# KiCad board hypjolin.kicad_pcb (continued)
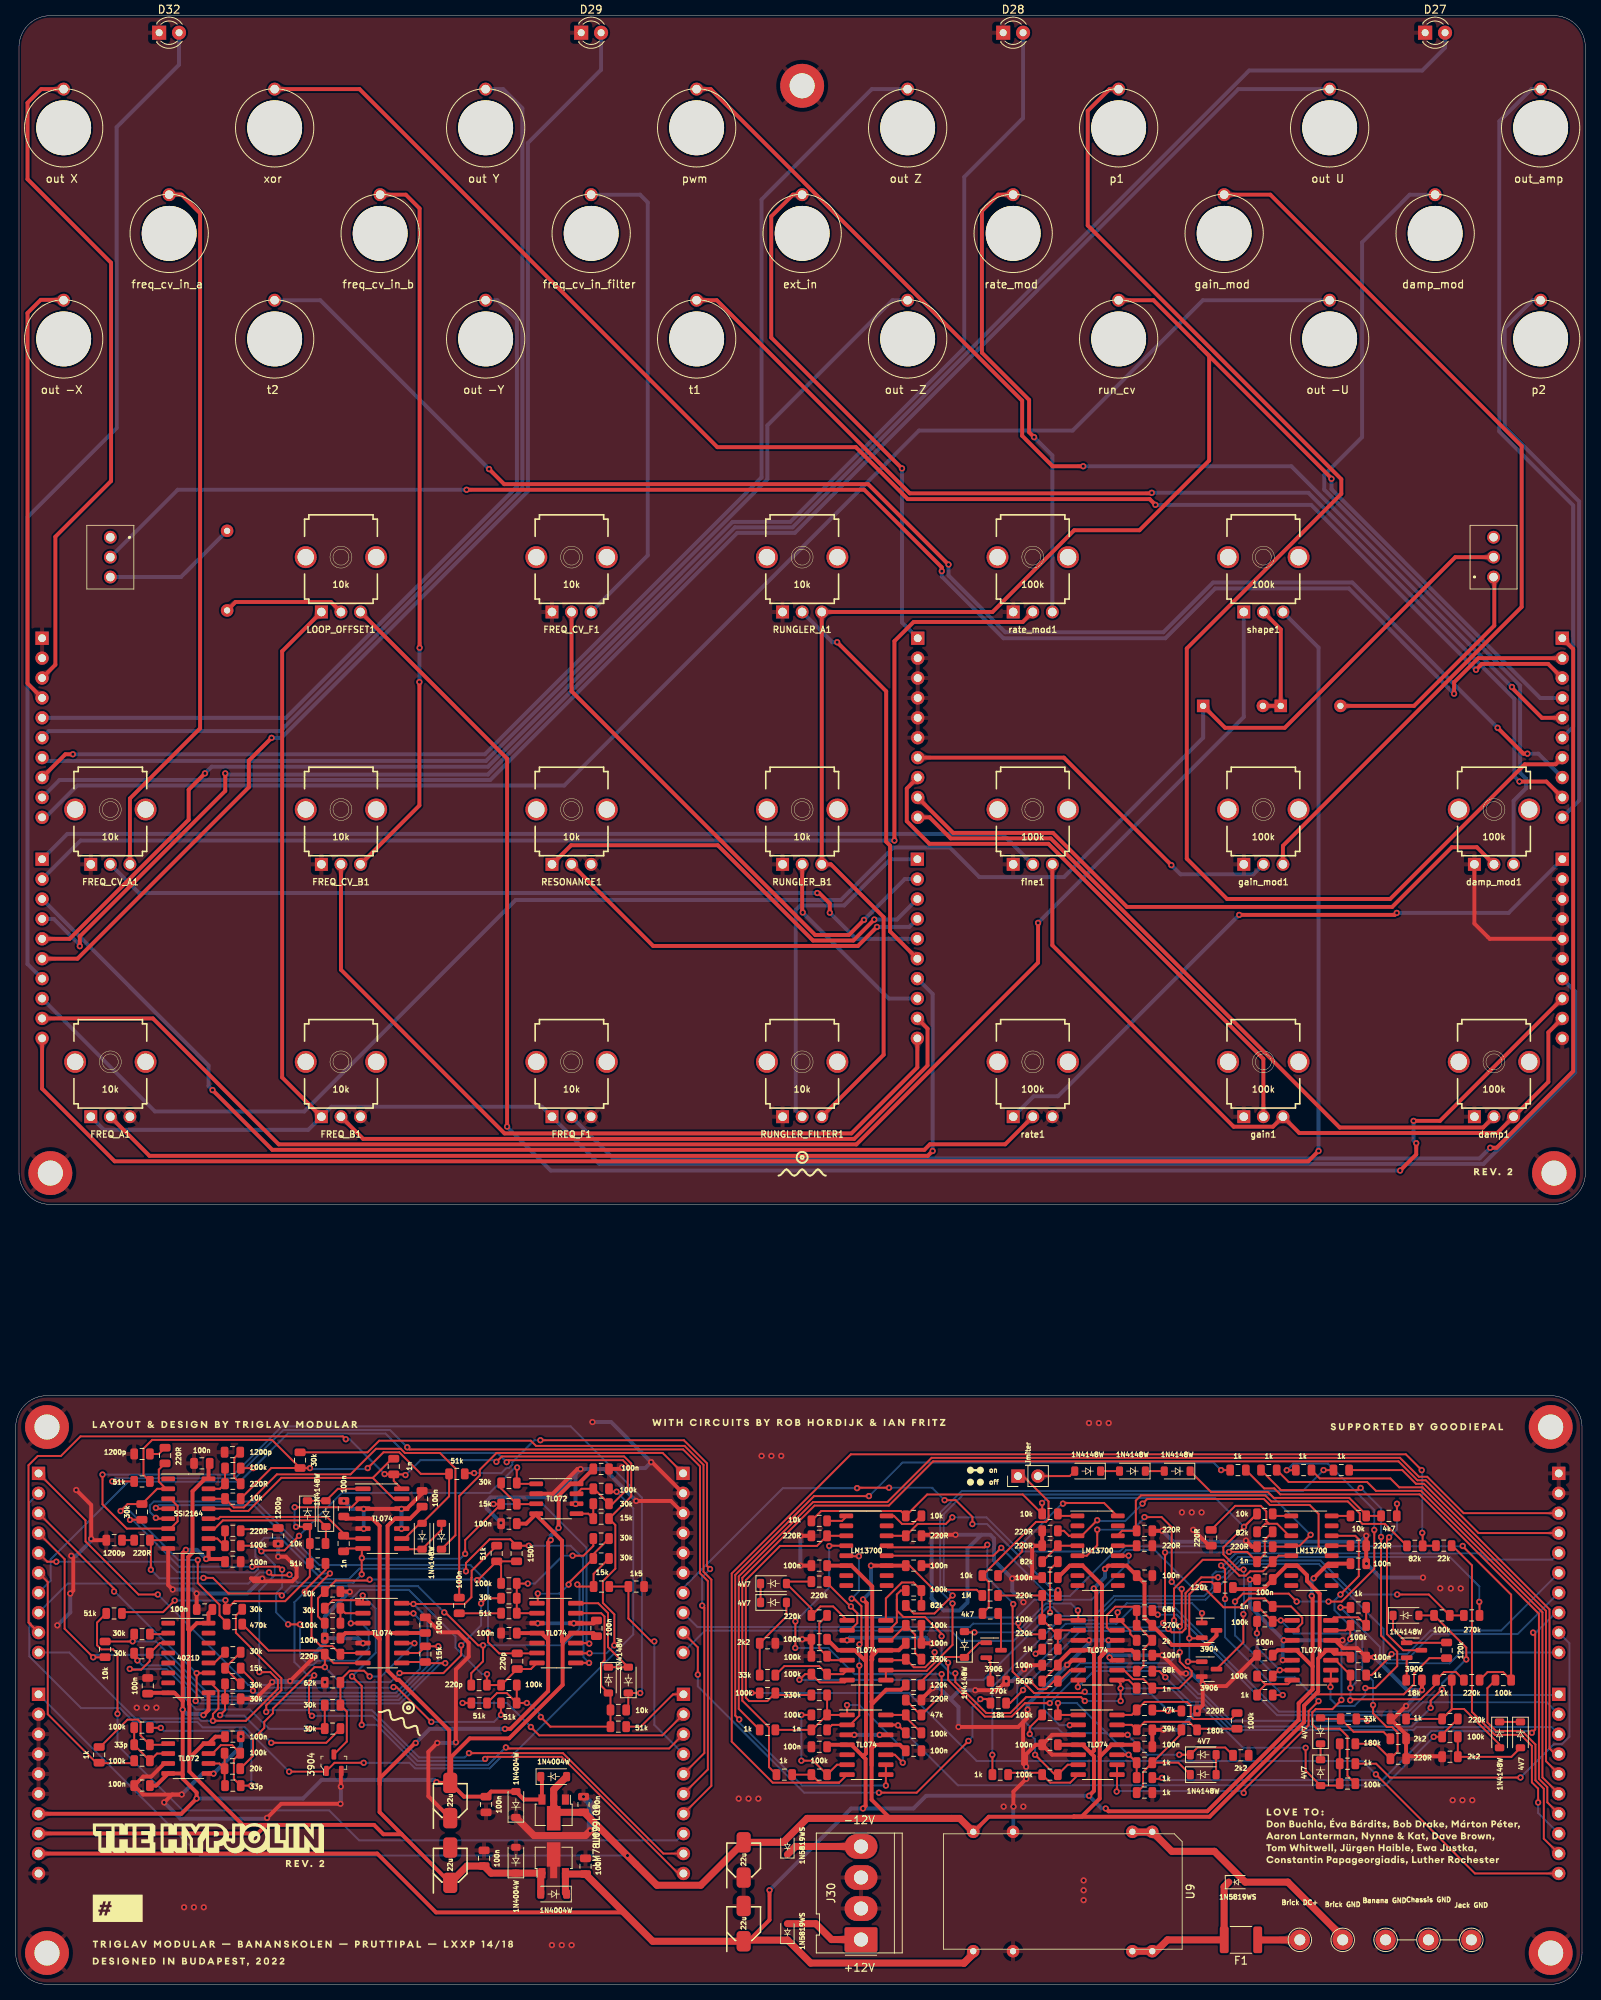
[diagram p0: board, top side]
## Routing (per net, layer and track width the routed paths; a pad name or vN(x,y) marks a point on that pad's centre or on a via; arc(x,y) is an arc through that point) (continued)
  Bottom w0.25: v1(23.25,54.15) 20.79,54.15 14.54,60.4 v1(13.4,60.4)
Net-(IC3-Pad10): length 4.3
  Top w0.25: R10.2 R12.1 ; IC3.10 25.74,56.89 26.66,55.97
Net-(IC3-Pad15): length 4.4
  Top w0.25: R11.1 R9.2 26.09,63.24 IC3.15
Net-(IC4-Pad3): length 6
  Top w0.25: 66.41,61.28 R14.2 61.98,63.28 R16.1
Net-(IC4-Pad5): length 4.3
  Top w0.25: IC4.5 73.12,60.06 R13.2 R15.1
Net-(IC5-Pad2): length 5
  Top w0.25: R44.2 R48.1 42.1,47.36 IC5.2
Net-(IC5-Pad9): length 50
  Top w0.25: 15.12,41.75 v1(15.54,41.33) ; R22.2 51.46,42.28 IC5.9 ; v1(53.97,43.14) 52.32,43.14
  Bottom w0.25: v1(53.97,43.14) 53.97,41.36 48.9,36.29 23.87,36.29 19.46,40.7 16.17,40.7 v1(15.54,41.33)
Net-(IC5-Pad10): length 23.8
  Top w0.25: Q1.3 42.28,30.98 42.28,34.82 R20.1 R21.2 ; 41.47,38.84 42.65,40.02 44.48,40.02 v1(45.2,39.29) ; v1(50.92,43.52) 49.32,43.52
  Bottom w0.25: v1(50.92,43.52) 46.69,39.29 v1(45.2,39.29)
Net-(IC5-Pad13): length 57.4
  Top w0.25: v1(30.3,37.47) 30.3,38.73 28.68,40.35 ; 14.94,44.49 v1(14.94,43.76) 14.92,43.75 R29.2 ; v1(50.79,47.33) 49.32,47.33
  Bottom w0.25: v1(50.79,47.33) 51.64,46.48 51.64,40.3 48.53,37.19 30.57,37.19 v1(30.3,37.47) 30.27,37.44 24.24,37.44 17.91,43.76 v1(14.94,43.76)
Net-(IC6-Pad1): length 13
  Top w0.25: R34.1 70.6,51.19 v1(70.6,51.02) ; v1(66.66,49.87) 66.66,48.73 ; 73.76,54.89 R33.2
  Bottom w0.25: v1(66.66,49.87) 66.68,49.86 69.44,49.86 v1(70.6,51.02)
Net-(IC6-Pad2): length 19.1
  Top w0.25: R31.2 R30.2 IC6.2 ; R33.1 73.76,55.95 72.51,54.7 v1(71.11,54.7) ; v1(65.39,51.14) 64.01,51.14
  Bottom w0.25: v1(65.39,51.14) 66.3,51.14 69.85,54.7 v1(71.11,54.7)
Net-(J14-Pad1): length 23.8
  Top w0.25: R76.1 124.25,48.13 124.25,51.35 R75.2 130.28,59.01 131.55,59.01 131.88,59.34 131.88,61.63 128.65,64.86
Net-(LOOP_OFFSET1-Pad2): length 15.5
  Top w0.5: LOOP_OFFSET1.2 40.26,176.4 28.08,176.4 R18.1
Net-(Q2-Pad2): length 3.2
  Top w0.25: R77.1 124.47,41.15 Q2.2
Net-(Q2-Pad3): length 4.3
  Top w0.25: Q2.3 125.81,46.97
Net-(Q3-Pad1): length 17.5
  Top w0.25: 141,46.44 142.32,45.12 142.32,44.72 R73.1 ; U3.14 140.62,47.38 v1(140.71,47.46) ; Q3.1 151.45,47.34 v1(151.48,47.37)
  Bottom w0.25: v1(140.71,47.46) 141.88,48.63 150.21,48.63 v1(151.48,47.37)
Net-(Q3-Pad2): length 16.5
  Top w0.25: R79.1 152.71,51.35 151.43,51.35 149.85,49.77 v1(149.85,44.15) 151.38,44.15 ; v1(149.67,41.18) 149.68,41.17 Q5.1
  Bottom w0.25: v1(149.67,41.18) 149.85,41.36 v1(149.85,44.15)
Net-(Q4-Pad2): length 2.8
  Top w0.25: 177.61,38.89 Q4.2
Net-(Q4-Pad3): length 23.9
  Top w0.25: v1(175.37,57.04) 175.09,56.77 175.09,44.69 177.16,42.63 Q4.3 ; 176.37,59.8 v1(176.37,61.32)
  Bottom w0.25: v1(175.37,57.04) 176.37,58.04 v1(176.37,61.32)
Net-(Q5-Pad3): length 88.2
  Top w0.25: R139.1 102.87,60.4 113.03,60.4 R131.1 116.38,62.51 128.59,62.51 R95.1 131.07,61.41 v1(131.05,61.43) ; v1(156.83,58.38) 156.85,58.38 R118.1 ; v1(156.76,47.24) 156.76,43.65 Q5.3 ; 158.49,60.03 154.21,55.75 154.21,54.88 156.16,52.92 v1(156.78,52.92)
  Bottom w0.25: v1(131.05,61.43) 131.69,62.06 153.15,62.06 v1(156.83,58.38) ; v1(156.78,52.92) 156.83,52.86 156.83,47.32 v1(156.76,47.24)
Net-(R18-Pad2): length 17.4
  Bottom w0.5: SW1.3 21.1,179.58 R18.2
Net-(R24-Pad1): length 5.7
  Top w0.25: 26.72,40.35 R27.2 ; 26.7,40.35 R24.1
Net-(R25-Pad1): length 21.8
  Top w0.25: v1(32.63,30.82) 39.66,30.82 R25.1 ; v1(26.1,34.35) 26.73,34.98 R28.2 R27.1
  Bottom w0.25: v1(32.63,30.82) 29.16,34.29 26.16,34.29 v1(26.1,34.35)
Net-(R31-Pad1): length 34
  Top w0.25: v1(58.92,51.58) 59.02,51.58 R35.2 ; R44.1 38.6,46.96 38.6,49.26 R38.2 40.87,51.53 45.08,51.53 v1(45.2,51.65) ; R31.1 61.98,53.42 R35.2 ; R35.2 R36.2
  Bottom w0.25: v1(58.92,51.58) 58.84,51.65 v1(45.2,51.65)
Net-(R51-Pad2): length 44.7
  Top w0.25: R51.2 174.85,58.75 171.96,58.75 171.63,59.09 171.63,60.1 170.1,61.63 160.32,61.63 159.56,62.39 143.69,62.39 143.03,61.73 143.03,57.98 ; R52.2 141.26,57.87 140.62,57.24
Net-(R53-Pad2): length 2.5
  Top w0.25: R53.2 140.62,55.97
Net-(R54-Pad1): length 16.1
  Top w0.25: 132.98,44.67 R68.2 R54.1 R61.2 ; U3.2 133.58,45.17 R55.1 R57.1
Net-(R56-Pad1): length 79.5
  Top w0.25: v1(129.54,38.69) 130.56,37.67 131.55,37.67 132.57,38.7 R69.2 ; v1(128.63,37.55) 126.97,35.89 R56.1 ; v1(153.53,51.93) 151.38,51.93 149.37,49.93 149.37,45.38 148.92,44.92 147.62,44.92 v1(147.18,45.35) ; 184.91,47.08 R72.2 180.44,49.75 v1(176.39,49.75) ; U3.6 134.63,40.09 133.23,38.7
  Bottom w0.25: v1(153.53,51.93) 154.13,51.93 156.29,54.1 166.6,54.1 170.95,49.75 v1(176.39,49.75) ; v1(147.18,45.35) 146.95,45.12 135.96,45.12 v1(129.54,38.69) 128.63,37.79 v1(128.63,37.55)
Net-(R58-Pad1): length 16.7
  Top w0.25: R70.2 R58.1 142.66,48.18 140.41,48.18 139.32,47.1 139.32,45.54 139.69,45.17 U3.13 ; 143.23,45.81 R73.2 144.01,42.78 144.01,40.6 143.37,39.97
Net-(R67-Pad2): length 49.3
  Top w0.25: 106.54,45.17 107.46,46.1 107.46,47.36 103.61,51.21 ; v1(142.1,54.7) 140.62,54.7
  Bottom w0.25: v1(106.65,48.22) 108.05,46.82 127.82,46.82 130.08,49.08 137.39,49.08 142.1,53.8 v1(142.1,54.7)
Net-(R75-Pad1): length 20.3
  Top w0.25: v1(133.72,61.34) 133.81,61.43 138.97,61.43 140.62,59.78 ; v1(128.51,56.1) 128.51,55.24 R75.1
  Bottom w0.25: v1(128.51,56.1) 128.51,56.22 133.63,61.34 v1(133.72,61.34)
Net-(R80-Pad2): length 10.3
  Top w0.25: R80.2 98.15,40.61 102.58,40.61 R85.1 105.65,39.59 U4.6
Net-(R83-Pad2): length 8.8
  Top w0.25: R83.2 102.61,46.08 102.61,42.87 R84.2 104.11,41.36 106.16,41.36
Net-(R85-Pad2): length 49.5
  Top w0.25: 106.16,38.82 105.87,38.53 102.66,38.53 R85.2 100.8,39.59 v1(100.07,38.86) ; R86.1 132.07,52.94 v1(132.07,47.43)
  Bottom w0.25: v1(132.07,47.43) 132.07,47.33 129.43,44.69 129.35,44.69 129.35,44.6 123.61,38.86 v1(100.07,38.86)
Net-(R86-Pad2): length 5.4
  Top w0.25: 133.07,55.94 R86.2 ; 135.68,55.97 R87.2
Net-(R89-Pad2): length 42.2
  Top w0.25: R89.2 133.85,57.87 134.49,57.24 136.11,57.24 v1(138.1,59.22) ; v1(143.88,61.34) 144.48,61.94 159.38,61.94 160.14,61.18 165.22,61.18 166.36,60.03 166.36,55.89 167.55,54.7
  Bottom w0.25: v1(143.88,61.34) 141.67,59.12 138.2,59.12 v1(138.1,59.22)
Net-(R92-Pad1): length 7.8
  Top w0.25: 111.75,43.9 R94.1 114.84,44.62 114.84,42.3 R92.1
Net-(R95-Pad2): length 2.4
  Top w0.25: 135.68,59.78 133.32,59.78
Net-(R97-Pad1): length 2.5
  Top w0.25: R97.1 167.93,59.78
Net-(R100-Pad1): length 10.5
  Top w0.25: R103.2 R100.1 114.63,51.28 113.15,51.28 111.11,49.24 U4.14
Net-(R100-Pad2): length 83.3
  Top w0.25: v1(172.58,33.62) 172.34,33.87 R93.1 ; 112.51,49.11 112.51,49.75 113.02,50.25 R100.2 ; 112.51,49.11 112.51,47.71 113.35,46.87 116.09,46.87 118.23,44.74 v1(118.23,44.41) ; 112.51,49.11 112.51,46.2 111.49,45.17 ; v1(119.06,41.05) 119.06,38.86 123.75,34.17 127.18,34.17 128.89,35.88 v1(132.04,35.88)
  Bottom w0.25: v1(118.23,44.41) 118.23,41.88 v1(119.06,41.05) ; v1(132.04,35.88) 136.63,40.47 147.6,40.47 151.02,37.06 151.75,37.06 155.19,33.62 v1(172.58,33.62)
Net-(R102-Pad2): length 2.5
  Top w0.25: 167.93,55.97 R102.2
Net-(R103-Pad1): length 73.5
  Top w0.25: v1(119.63,49.62) 119.62,49.62 117.32,47.32 114.68,47.32 R103.1 ; v1(165.34,57.37) 163.95,55.97 U2.4 ; R108.1 162.75,55.84
  Bottom w0.25: v1(119.63,49.62) 118.5,50.75 118.5,60.01 121,62.52 160.19,62.52 v1(165.34,57.37)
Net-(R104-Pad1): length 42.4
  Top w0.25: R104.1 173.63,30.7 R105.2 176.45,29.71 176.45,32.14 175.75,32.85 175.06,32.85 173.32,34.58 v1(173.32,35.65) ; 167.93,57.24 171.05,57.24 171.5,56.79 171.5,52.09 v1(169.15,49.75)
  Bottom w0.25: v1(173.32,35.65) 173.32,38.72 171.95,40.09 171.95,44.17 168.39,47.73 168.39,48.98 v1(169.15,49.75)
Net-(R106-Pad1): length 16.3
  Top w0.25: R96.2 149.82,33.5 144.16,33.5 R106.1 142.5,33.11 U6.13 ; R113.1 150.99,32.62
Net-(R107-Pad1): length 30.2
  Top w0.25: v1(169.28,36.28) 168.12,35.12 166,35.12 165.56,34.69 165.56,33.16 166.1,32.62 169.08,32.62 170.05,31.65 170.05,26.62 R107.1 ; 170.41,45.78 v1(170.41,44.06) ; R116.2 169.81,45.17 U7.13
  Bottom w0.25: v1(169.28,36.28) 169.28,42.75 170.41,43.88 v1(170.41,44.06)
Net-(R111-Pad1): length 15.5
  Top w0.25: 158.52,57.75 159.55,58.77 160.02,58.77 ; 160.02,58.77 159.69,59.1 159.69,60.35 158.98,61.06 155.72,61.06 R111.1 ; 160.02,58.77 161.07,58.77 162.6,57.24
Net-(R113-Pad2): length 18
  Top w0.25: R113.2 155.19,33.86 150.37,33.86 150.04,34.2 150.04,35.58 149.58,36.04 144.16,36.04 R119.1 142.5,34.38 U6.14
Net-(R114-Pad2): length 82.6
  Top w0.25: R122.1 112.64,33.11 U8.13 112.6,33.11 v1(112.66,33.04) ; v1(181.06,31.58) R114.2 ; R115.2 182.14,31.87
  Bottom w0.25: v1(112.66,33.04) 120.31,25.4 174.87,25.4 v1(181.06,31.58)
Net-(R116-Pad1): length 7.4
  Top w0.25: R120.2 R116.1 171.42,46.83 168.32,46.83 U7.14
Net-(R117-Pad2): length 81.1
  Top w0.25: U4.9 111.11,38.82 ; R117.2 v1(167,65.62) ; v1(119.62,48.6) 119.62,43.32 116.32,40.02 111.19,40.02
  Bottom w0.25: v1(167,65.62) 164.34,62.97 120.82,62.97 118.05,60.2 118.05,50.18 v1(119.62,48.6)
Net-(R118-Pad2): length 2.2
  Top w0.25: 162.98,59.78 160.76,59.78
Net-(R119-Pad2): length 56.5
  Top w0.25: 111.11,55.97 111.32,55.76 123.74,55.76 v1(124.07,56.1) ; R121.2 v1(147.18,34.89) 145.26,34.89 ; v1(127.37,48.53) 127.3,48.45 127.3,39.91 130.03,37.17 136.34,37.17 v1(136.51,37.34)
  Bottom w0.25: v1(127.37,48.53) 127.37,48.6 124.07,51.9 v1(124.07,56.1) ; v1(136.51,37.34) 136.8,37.05 145.02,37.05 v1(147.18,34.89)
Net-(R122-Pad2): length 5.4
  Top w0.25: U8.14 R125.1 ; 113.65,34.09 R122.2
Net-(R123-Pad2): length 101.3
  Top w0.25: R124.2 187.94,39.85 189.93,39.85 R128.2 190.95,49.72 184.76,55.91 v1(184.76,55.94) ; v1(119.6,59.59) 118.76,58.75 115.17,58.75 R123.2 111.11,57.24
  Bottom w0.25: v1(119.6,59.59) 123.95,59.59 128.3,55.24 140.99,55.24 141.65,55.9 184.72,55.9 v1(184.76,55.94)
Net-(R125-Pad2): length 46.1
  Top w0.25: 106.16,55.97 103.91,55.97 v1(103.88,55.94) ; v1(118.23,39.59) 118.23,36.95 R125.2 ; v1(99.56,46.32) 99.56,42.94 v1(99.54,42.93) ; 115.56,34.38 R126.2
  Bottom w0.25: v1(99.54,42.93) 103.77,42.93 107.11,39.59 v1(118.23,39.59) ; v1(103.88,55.94) 103.88,50.64 v1(99.56,46.32)
Net-(R127-Pad2): length 39
  Top w0.25: 106.16,57.24 R135.2 102.31,55.94 97.6,55.94 93.23,51.57 93.23,36.57 93.65,36.15 95.98,36.15 R127.2 ; R143.2 97.26,36.92
Net-(R130-Pad1): length 13.1
  Top w0.25: U6.6 134.34,28.03 R134.2 132.7,26.76 v1(130.17,29.3) ; v1(129.48,31.94) 129.48,32.79 R130.1
  Bottom w0.25: v1(129.48,31.94) 130.17,31.26 v1(130.17,29.3)
Net-(R131-Pad2): length 5.3
  Top w0.25: 111.11,59.78 112.15,59.78 113.18,58.75 114.53,58.75 115.56,59.78
Net-(R133-Pad2): length 96.9
  Top w0.25: v1(155.69,48.84) 156.71,49.86 162.55,49.86 v1(163.57,48.84) ; v1(140.58,24.6) 140.62,24.65 U6.8 U6.9 ; v1(173.47,57.99) 173.47,53.01 169.31,48.84 v1(167.63,48.84) ; 163.44,65.61 v1(162.3,65.61) ; v1(166.36,36.14) 165.09,34.87 165.09,33.09 156.8,24.8 v1(156.8,24.43)
  Bottom w0.25: v1(173.47,57.99) 173.47,60.53 167.55,66.44 163.13,66.44 v1(162.3,65.61) ; v1(155.69,48.84) 155.69,44.53 161.03,39.19 163.31,39.19 v1(166.36,36.14) ; v1(156.8,24.43) 156.55,24.67 140.65,24.67 v1(140.58,24.6) ; v1(163.57,48.84) v1(167.63,48.84)
Net-(R134-Pad1): length 9.3
  Top w0.25: 126.96,27 130.83,27 ; R134.1 132.09,25.73 134.65,25.73 U6.7
Net-(R138-Pad1): length 10.2
  Top w0.25: v1(158.49,44.79) 158.5,44.81 R138.1 ; U7.6 v1(161.41,40.09) 161.26,40.09 R141.2
  Bottom w0.25: v1(158.49,44.79) 158.49,43.01 v1(161.41,40.09)
Net-(R139-Pad2): length 2.8
  Top w0.25: 106.16,59.78 105.53,59.14 R139.2
Net-(R141-Pad1): length 9.5
  Top w0.25: 162.46,38.31 159.63,38.31 158.5,37.18 ; 162.46,38.31 162.98,38.82 ; 162.46,38.31 159.53,38.31 R141.1
Net-(R142-Pad2): length 53.7
  Top w0.25: U7.9 167.93,38.82 ; v1(171.73,63.34) 171.45,63.07 161.56,63.07 R142.2 ; v1(174.34,57.09) 174.34,44.51 176.4,42.44 176.4,40.61 173.6,37.81 v1(172.33,37.81) ; v1(167.88,37.94) 167.88,38.78
  Bottom w0.25: v1(171.73,63.34) 174.36,60.71 174.36,57.12 v1(174.34,57.09) ; v1(167.88,37.94) 167.88,36.41 168.77,35.52 170.93,35.52 172.33,36.92 v1(172.33,37.81)
Net-(R146-Pad1): length 14.2
  Top w0.25: v1(100.32,34.38) R146.1 ; U8.6 104.88,28.03 R149.2 101.83,28.54 v1(100.32,28.54)
  Bottom w0.25: v1(100.32,28.54) v1(100.32,34.38)
Net-(R147-Pad2): length 113.3
  Top w0.25: U8.9 U8.8 111.11,25.36 v1(111.11,25.36) ; v1(153.91,65.62) R147.2 ; v1(92.39,33.8) 91.88,34.31 91.88,52.24 101.95,62.31 v1(108.96,62.31)
  Bottom w0.25: v1(153.91,65.62) 152.94,66.6 113.25,66.6 v1(108.96,62.31) ; v1(111.11,25.36) 100.44,25.36 92.39,33.42 v1(92.39,33.8)

## Copper pours and planes (outline as drawn; the poured copper is in the pictures)
GND on Top, Bottom: 205.73,-3.34 -7,-3.34 -6.36,79.24 207,79.24
VCC on Top: 121.65,2.62 121.8,2.77 121.92,2.89 122.03,2.99 122.13,3.09 122.23,3.17 122.32,3.25 122.41,3.33 122.51,3.41 122.63,3.49 122.75,3.59 122.45,4.58 121.47,4.24 121.47,4.12 121.46,4.02 121.44,3.92 121.42,3.83 121.38,3.74 121.34,3.65 121.28,3.56 121.21,3.47 121.12,3.37 121.02,3.26
VCC on Top: 121.63,2.64 121.78,2.78 121.9,2.9 122.01,3.01 122.11,3.1 122.2,3.18 122.29,3.25 122.39,3.33 122.49,3.4 122.6,3.48 122.73,3.57 122.46,4.57 121.47,4.27 121.46,4.15 121.45,4.04 121.43,3.94 121.41,3.85 121.37,3.76 121.33,3.67 121.27,3.58 121.19,3.49 121.1,3.39 121,3.28
VCC on Top: 4.61,16.94 4.42,16.94 4.26,16.96 4.12,17 4,17.04 3.89,17.09 3.79,17.16 3.57,17.3 3.44,17.37 3.29,17.45 2.5,16.69 3.29,15.92 3.44,16 3.57,16.08 3.79,16.22 3.89,16.28 4,16.33 4.12,16.38 4.26,16.41 4.42,16.43 4.61,16.44
VEE on Top: 123.24,20.73 123.11,20.61 122.99,20.52 122.88,20.45 122.77,20.4 122.67,20.37 122.56,20.34 122.33,20.3 122.2,20.27 122.05,20.23 121.97,19.2 123.01,19.16 123.07,19.31 123.11,19.45 123.17,19.68 123.2,19.79 123.24,19.9 123.3,20.01 123.37,20.12 123.47,20.24 123.59,20.38
VEE on Top: 120.85,20.24 120.97,20.11 121.07,20 121.16,19.9 121.23,19.81 121.29,19.72 121.34,19.63 121.38,19.53 121.43,19.43 121.47,19.32 121.52,19.19 122.56,19.19 122.52,20.22 122.4,20.27 122.28,20.31 122.18,20.35 122.09,20.39 122,20.44 121.91,20.5 121.82,20.57 121.72,20.65 121.61,20.75 121.48,20.87
VEE on Bottom: 4.21,35.9 4.07,36.05 3.98,36.18 3.91,36.31 3.87,36.44 3.85,36.56 3.84,36.68 3.82,36.81 3.81,36.96 3.78,37.11 3.72,37.29 2.62,37.31 2.64,36.2 2.82,36.15 2.97,36.12 3.11,36.1 3.25,36.09 3.37,36.08 3.49,36.05 3.62,36.02 3.74,35.95 3.88,35.86 4.03,35.72
/cv_f_pot on Top: 84.16,33.18 84.31,33.32 84.45,33.41 84.57,33.48 84.7,33.51 84.82,33.54 84.94,33.55 85.08,33.56 85.22,33.58 85.37,33.61 85.55,33.66 85.57,34.77 84.47,34.75 84.41,34.57 84.38,34.42 84.37,34.27 84.35,34.14 84.34,34.02 84.32,33.9 84.28,33.77 84.21,33.64 84.12,33.51 83.98,33.36
/damp_mod_pot on Top: 86.5,43.78 86.37,43.93 86.27,44.06 86.21,44.19 86.17,44.31 86.15,44.44 86.13,44.56 86.12,44.69 86.1,44.84 86.07,44.99 86.02,45.16 84.92,45.19 84.94,44.08 85.11,44.03 85.27,44 85.41,43.98 85.54,43.97 85.67,43.96 85.79,43.93 85.91,43.89 86.04,43.83 86.18,43.74 86.32,43.6
/damp_pot on Bottom: 86.32,43.63 86.18,43.49 86.04,43.4 85.91,43.34 85.79,43.3 85.67,43.27 85.54,43.26 85.41,43.25 85.27,43.23 85.11,43.2 84.94,43.15 84.92,42.04 86.02,42.07 86.07,42.24 86.1,42.4 86.12,42.54 86.13,42.67 86.15,42.79 86.17,42.92 86.21,43.04 86.27,43.17 86.37,43.3 86.5,43.45
/ext_in on Top: 83.93,66.31 84.07,66.16 84.16,66.03 84.23,65.9 84.27,65.78 84.29,65.65 84.3,65.53 84.32,65.4 84.33,65.26 84.36,65.1 84.42,64.93 85.52,64.9 85.5,66.01 85.32,66.06 85.17,66.09 85.03,66.11 84.89,66.12 84.77,66.13 84.65,66.16 84.52,66.2 84.4,66.26 84.26,66.35 84.11,66.49
/fine_pot on Bottom: 195.33,36.79 195.54,36.78 195.71,36.76 195.85,36.71 195.97,36.65 196.08,36.59 196.19,36.51 196.3,36.44 196.42,36.36 196.57,36.28 196.74,36.21 197.45,37.05 196.58,37.73 196.44,37.63 196.31,37.53 196.21,37.44 196.12,37.35 196.02,37.26 195.92,37.19 195.81,37.13 195.68,37.08 195.52,37.05 195.33,37.04
/freq_a_pot on Top: 86.37,23.05 86.23,22.92 86.09,22.82 85.96,22.76 85.84,22.72 85.72,22.69 85.59,22.68 85.46,22.67 85.32,22.65 85.16,22.62 84.99,22.57 84.97,21.47 86.07,21.49 86.12,21.66 86.15,21.82 86.17,21.96 86.18,22.09 86.2,22.21 86.22,22.34 86.26,22.46 86.32,22.59 86.42,22.72 86.55,22.87
/freq_b_pot on Top: 83.58,16.56 83.78,16.55 83.94,16.52 84.08,16.48 84.19,16.42 84.29,16.35 84.39,16.27 84.49,16.18 84.61,16.1 84.74,16.01 84.9,15.92 85.69,16.69 84.9,17.45 84.74,17.36 84.61,17.28 84.49,17.19 84.39,17.1 84.29,17.03 84.19,16.96 84.08,16.9 83.94,16.85 83.78,16.82 83.58,16.81
/freq_cv_a_pot on Top: 86.37,28.13 86.23,28 86.09,27.9 85.96,27.84 85.84,27.8 85.72,27.77 85.59,27.76 85.46,27.75 85.32,27.73 85.16,27.7 84.99,27.65 84.97,26.55 86.07,26.57 86.12,26.74 86.15,26.9 86.17,27.04 86.18,27.17 86.2,27.29 86.22,27.42 86.26,27.54 86.32,27.67 86.42,27.8 86.55,27.95
/freq_cv_b_pot on Top: 83.74,14.83 83.89,14.67 84,14.53 84.09,14.4 84.16,14.28 84.23,14.16 84.29,14.05 84.35,13.93 84.43,13.81 84.54,13.69 84.67,13.55 85.68,14.06 85.06,14.97 84.92,14.93 84.79,14.89 84.67,14.85 84.56,14.81 84.45,14.79 84.35,14.78 84.25,14.8 84.14,14.83 84.03,14.9 83.91,15.01
/freq_f_pot on Top: 4.21,64.1 4.07,64.25 3.98,64.38 3.91,64.51 3.87,64.63 3.85,64.76 3.84,64.88 3.82,65.01 3.81,65.16 3.78,65.31 3.72,65.48 2.62,65.51 2.64,64.4 2.82,64.35 2.97,64.32 3.11,64.3 3.25,64.29 3.37,64.28 3.49,64.25 3.62,64.21 3.74,64.15 3.88,64.06 4.03,63.92
/gain_mod_pot on Bottom: 85.94,51.48 85.78,51.33 85.63,51.21 85.5,51.13 85.37,51.06 85.25,51 85.14,50.94 85.02,50.88 84.89,50.8 84.76,50.7 84.62,50.57 85.11,49.55 86.05,50.13 86.02,50.28 85.98,50.41 85.94,50.53 85.91,50.64 85.89,50.75 85.89,50.86 85.9,50.96 85.94,51.07 86.01,51.18 86.12,51.3
/gain_pot on Bottom: 86.5,46.32 86.37,46.47 86.27,46.6 86.21,46.73 86.17,46.85 86.15,46.98 86.13,47.1 86.12,47.23 86.1,47.38 86.07,47.53 86.02,47.7 84.92,47.73 84.94,46.62 85.11,46.57 85.27,46.54 85.41,46.52 85.54,46.51 85.67,46.5 85.79,46.47 85.91,46.43 86.04,46.37 86.18,46.28 86.32,46.14
/LEDU on Top: 195.72,30.4 195.74,30.25 195.77,30.13 195.82,30.03 195.88,29.94 195.95,29.87 196.02,29.8 196.08,29.72 196.13,29.63 196.17,29.52 196.18,29.39 197.42,29.22 196.98,30.23 196.84,30.22 196.7,30.19 196.56,30.16 196.43,30.13 196.31,30.12 196.2,30.11 196.1,30.14 196.03,30.19 195.99,30.27 195.97,30.4
/LEDX on Top: 195.74,22.87 195.88,22.72 195.97,22.59 196.04,22.46 196.08,22.34 196.1,22.21 196.11,22.09 196.13,21.96 196.14,21.82 196.17,21.66 196.23,21.49 197.33,21.47 197.31,22.57 197.13,22.62 196.98,22.65 196.84,22.67 196.7,22.68 196.58,22.69 196.46,22.72 196.33,22.76 196.21,22.82 196.07,22.92 195.92,23.05
/LEDY on Top: 195.74,25.44 195.88,25.29 195.97,25.15 196.04,25.02 196.08,24.9 196.1,24.78 196.12,24.65 196.13,24.52 196.14,24.37 196.17,24.22 196.22,24.04 197.32,24 197.32,25.1 197.15,25.16 196.99,25.19 196.85,25.21 196.71,25.23 196.59,25.25 196.46,25.27 196.34,25.31 196.21,25.38 196.07,25.48 195.92,25.61
/LEDZ on Top: 195.74,27.95 195.88,27.8 195.97,27.67 196.04,27.54 196.08,27.42 196.1,27.29 196.11,27.17 196.13,27.04 196.14,26.9 196.17,26.74 196.23,26.57 197.33,26.55 197.31,27.65 197.13,27.7 196.98,27.73 196.84,27.75 196.7,27.76 196.58,27.77 196.46,27.8 196.33,27.84 196.21,27.9 196.07,28 195.92,28.13
/offset_switch on Bottom: 1.87,61.45 1.89,61.63 1.95,61.74 2.05,61.81 2.17,61.84 2.32,61.84 2.48,61.83 2.66,61.82 2.84,61.81 3.02,61.82 3.2,61.86 3.22,62.97 2.07,62.67 2.06,62.51 2.03,62.38 1.97,62.27 1.91,62.18 1.85,62.09 1.78,61.99 1.72,61.89 1.67,61.77 1.63,61.63 1.62,61.45
/out -U on Bottom: 195.34,42.22 195.54,42.21 195.7,42.18 195.84,42.14 195.95,42.08 196.05,42.01 196.15,41.93 196.25,41.84 196.37,41.76 196.5,41.67 196.66,41.58 197.45,42.35 196.66,43.11 196.5,43.02 196.37,42.94 196.25,42.85 196.15,42.76 196.05,42.68 195.95,42.61 195.84,42.56 195.7,42.51 195.54,42.48 195.34,42.47
/out -X on Top: 195.34,57.46 195.54,57.45 195.7,57.42 195.84,57.38 195.95,57.32 196.05,57.25 196.15,57.17 196.25,57.08 196.37,57 196.5,56.91 196.66,56.82 197.45,57.59 196.66,58.35 196.5,58.26 196.37,58.18 196.25,58.09 196.15,58 196.05,57.92 195.95,57.85 195.84,57.8 195.7,57.75 195.54,57.72 195.34,57.71
/out -Y on Bottom: 195.68,54.07 195.87,54.07 196.02,54.08 196.16,54.1 196.27,54.11 196.49,54.15 196.6,54.17 196.72,54.18 196.86,54.19 197.03,54.2 197.33,55.35 196.23,55.32 196.19,55.18 196.16,55.04 196.13,54.77 196.1,54.64 196.07,54.54 196.02,54.45 195.94,54.38 195.83,54.34 195.68,54.32
/out -Z on Bottom: 195.92,48.68 196.07,48.82 196.21,48.91 196.33,48.97 196.46,49.01 196.58,49.04 196.7,49.05 196.84,49.06 196.98,49.08 197.13,49.11 197.31,49.16 197.33,50.27 196.23,50.24 196.17,50.07 196.14,49.92 196.13,49.77 196.11,49.64 196.1,49.52 196.08,49.39 196.04,49.27 195.97,49.14 195.88,49.01 195.74,48.86
/out U on Bottom: 198.31,43.78 198.18,43.93 198.08,44.06 198.02,44.19 197.98,44.31 197.96,44.44 197.94,44.56 197.93,44.69 197.91,44.84 197.88,44.99 197.83,45.16 196.73,45.19 196.75,44.08 196.92,44.03 197.08,44 197.22,43.98 197.35,43.97 197.48,43.96 197.6,43.93 197.72,43.89 197.85,43.83 197.99,43.74 198.13,43.6
/out X on Top: 195.34,60 195.54,59.99 195.7,59.96 195.84,59.92 195.95,59.86 196.05,59.79 196.15,59.71 196.25,59.62 196.37,59.54 196.5,59.45 196.66,59.36 197.45,60.13 196.66,60.89 196.5,60.8 196.37,60.72 196.25,60.63 196.15,60.54 196.05,60.46 195.95,60.39 195.84,60.34 195.7,60.29 195.54,60.26 195.34,60.25
/out Y on Bottom: 195.92,51.22 196.07,51.36 196.21,51.45 196.33,51.51 196.46,51.55 196.58,51.58 196.7,51.59 196.84,51.6 196.98,51.62 197.13,51.65 197.31,51.7 197.33,52.81 196.23,52.78 196.17,52.61 196.14,52.46 196.13,52.31 196.11,52.18 196.1,52.06 196.08,51.93 196.04,51.81 195.97,51.68 195.88,51.55 195.74,51.4
/out Z on Bottom: 195.76,46.35 195.89,46.47 196.01,46.55 196.13,46.6 196.24,46.63 196.36,46.63 196.47,46.63 196.73,46.59 196.88,46.58 197.04,46.58 197.41,47.62 196.35,47.94 196.24,47.78 196.16,47.63 196.1,47.5 196.06,47.37 196.02,47.24 195.97,47.11 195.92,46.98 195.84,46.84 195.73,46.69 195.58,46.53
/OUT_AMP on Top: 4.22,51.29 4.21,51.47 4.18,51.61 4.12,51.73 4.06,51.83 4,51.93 3.93,52.02 3.87,52.11 3.82,52.22 3.78,52.35 3.77,52.51 2.62,52.81 2.64,51.7 2.82,51.66 3,51.65 3.19,51.66 3.36,51.67 3.52,51.68 3.67,51.68 3.79,51.65 3.89,51.58 3.95,51.47 3.97,51.29
/P1 on Bottom: 4.03,51.25 3.88,51.11 3.74,51.02 3.62,50.96 3.49,50.92 3.37,50.89 3.25,50.88 3.11,50.87 2.97,50.85 2.82,50.82 2.64,50.77 2.62,49.66 3.72,49.69 3.78,49.86 3.81,50.02 3.82,50.16 3.84,50.29 3.85,50.41 3.87,50.54 3.91,50.66 3.98,50.79 4.07,50.92 4.21,51.07
/P2 on Bottom: 4.61,42.47 4.41,42.48 4.25,42.51 4.11,42.56 4,42.61 3.9,42.68 3.8,42.76 3.7,42.85 3.58,42.94 3.45,43.02 3.29,43.11 2.5,42.35 3.29,41.58 3.45,41.67 3.58,41.76 3.7,41.84 3.8,41.93 3.9,42.01 4,42.08 4.11,42.14 4.25,42.18 4.41,42.21 4.61,42.22
/P / cv_f_pot on Top: 71.23,173.48 71.24,173.67 71.26,173.83 71.29,173.97 71.33,174.08 71.38,174.19 71.44,174.29 71.57,174.5 71.65,174.62 71.72,174.77 70.98,175.54 70.24,174.77 70.31,174.62 70.39,174.5 70.52,174.29 70.58,174.19 70.63,174.08 70.67,173.97 70.7,173.83 70.72,173.67 70.73,173.48
/P / cv_f_pot on Bottom: 113.63,140.8 113.76,140.9 113.87,140.93 113.98,140.92 114.08,140.87 114.18,140.79 114.28,140.69 114.39,140.57 114.5,140.46 114.62,140.36 114.76,140.28 115.56,141.04 114.53,141.64 114.41,141.54 114.29,141.48 114.17,141.45 114.05,141.43 113.93,141.42 113.81,141.41 113.68,141.39 113.55,141.35 113.42,141.27 113.28,141.15
/P / damp_mod on Bottom: 191.01,144.57 191,144.38 190.98,144.22 190.95,144.09 190.91,143.97 190.86,143.87 190.8,143.77 190.67,143.55 190.59,143.43 190.52,143.28 191.26,142.51 192,143.28 191.92,143.43 191.85,143.55 191.71,143.77 191.66,143.87 191.61,143.97 191.56,144.09 191.53,144.22 191.51,144.38 191.51,144.57
/P / damp_mod on Bottom: 179.6,228.13 179.79,228.13 179.94,228.11 180.08,228.08 180.19,228.03 180.3,227.98 180.4,227.93 180.61,227.79 180.73,227.72 180.88,227.64 181.65,228.38 180.88,229.13 180.73,229.05 180.61,228.98 180.4,228.84 180.3,228.78 180.19,228.73 180.08,228.69 179.94,228.66 179.79,228.64 179.6,228.63
/P / damp_mod_pot on Top: 116.55,150.44 116.42,150.58 116.32,150.71 116.25,150.83 116.19,150.95 116.16,151.06 116.13,151.18 116.07,151.43 116.03,151.58 115.98,151.74 114.88,151.76 114.9,150.66 115.06,150.61 115.21,150.57 115.46,150.51 115.58,150.48 115.69,150.45 115.81,150.39 115.93,150.32 116.06,150.22 116.2,150.09
/P / damp_mod_pot on Top: 187.42,143.91 187.55,143.77 187.65,143.65 187.72,143.53 187.77,143.42 187.81,143.31 187.84,143.2 187.89,142.95 187.93,142.81 187.98,142.65 189.05,142.63 189.03,143.7 188.87,143.75 188.73,143.79 188.49,143.84 188.37,143.87 188.26,143.91 188.15,143.96 188.04,144.04 187.91,144.13 187.77,144.26
/P / damp_pot on Top: 187.77,109.38 187.91,109.51 188.04,109.61 188.15,109.68 188.26,109.73 188.37,109.77 188.49,109.8 188.73,109.86 188.87,109.89 189.03,109.94 189.05,111.01 187.98,110.99 187.93,110.83 187.89,110.69 187.84,110.45 187.81,110.34 187.77,110.23 187.72,110.11 187.65,110 187.55,109.87 187.42,109.73
/P / damp_pot on Top: 117.01,148.97 116.87,149.09 116.74,149.17 116.61,149.22 116.49,149.25 116.37,149.27 116.25,149.29 116.14,149.31 116.02,149.35 115.9,149.42 115.78,149.52 114.76,148.92 115.55,148.15 115.68,148.23 115.8,148.33 115.91,148.43 116.02,148.53 116.12,148.63 116.22,148.7 116.32,148.74 116.42,148.75 116.53,148.71 116.65,148.62
